# Altium PCB PCB1.PcbDoc (part 3 of 5)
Units mm, origin at the board's own origin, x right, y up, seen from the top; angles counter-clockwise.
Board outline 160 x 50 mm, 6 copper layers (Top Layer, Layer 1, Top Middle Layer, Bottom Middle Layer, Layer 2, Bottom Layer), stack 0.885 mm thick; 337 components, 281 nets, 1269 pads, 489 vias.
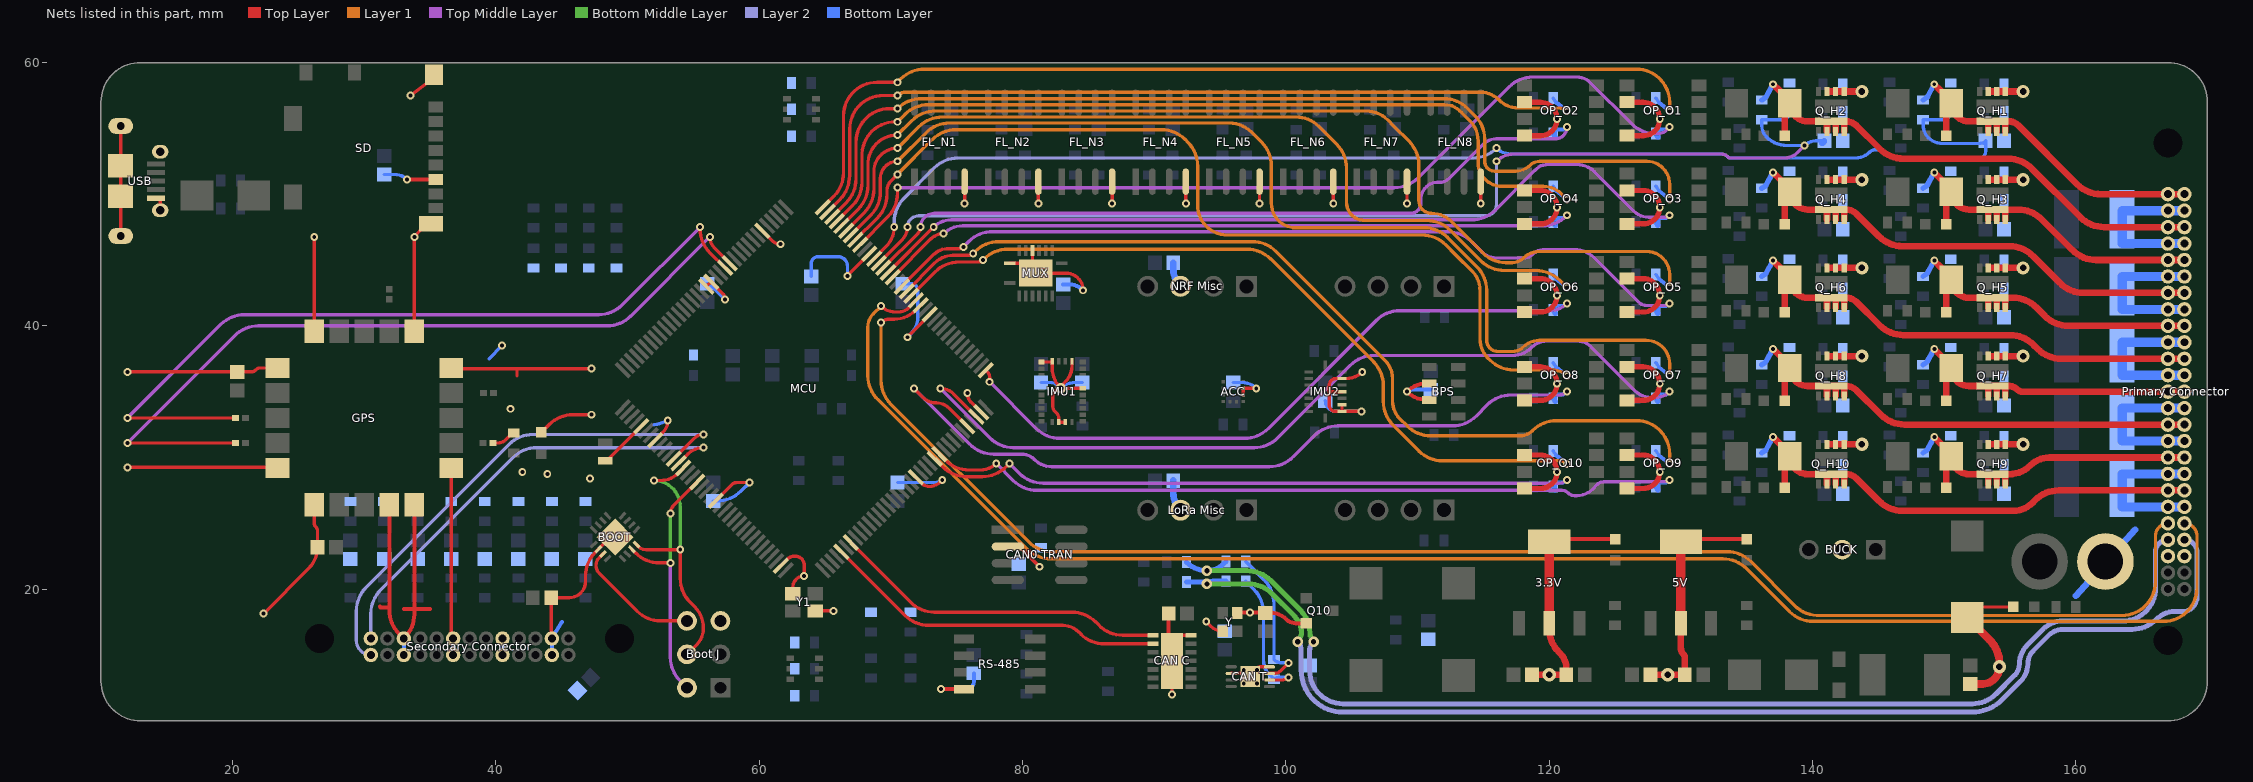
[diagram p7: the nets of this part, all layers, seen from the top]

## Via types
v1: diameter 0.6, hole 0.3, Top Layer to Bottom Layer, 440 vias
v2: diameter 1, hole 0.5, Top Layer to Bottom Layer, 25 vias
v3: diameter 0.8, hole 0.4, Top Layer to Bottom Layer, 12 vias
v4: diameter 6, hole 3.2, Top Layer to Bottom Layer, 5 vias
v5: diameter 0.5, hole 0.3, Top Layer to Bottom Layer, 4 vias
v6: diameter 1.4, hole 0.7, Top Layer to Bottom Layer, 2 vias
v7: diameter 1, hole 0.6, Top Layer to Bottom Layer, 1 vias

## Nets (pads, with @x,y where several pads share a name; then routed paths per layer and width w, separated by ;. In a path a pad name is that pad's centre, name@x,y a point inside that pad or via, vN(x,y) a via of type N, cw(c..) or ccw(c..) an arc to the next point about the centre after c; other vN are vias at no path point) (continued)
"CAN INTN0": "CAN C.9" MCU.77 | length 26.3
  Top Layer w0.254: MCU.77@66.243,22.837 71.086,17.994 ccw(c72.882,19.79) 72.882,17.25 83.043,17.25 cw(c83.043,15.543) 84.25,16.75 84.406,16.594 ccw(c86.202,18.39) 86.202,15.85 89.9,15.85
"CAN INTN1": "CAN C.8" MCU.79 | length 25.5
  Top Layer w0.254: MCU.79@66.95,23.544 71.5,18.994 ccw(c73.296,20.79) 73.296,18.25 83.748,18.25 cw(c83.748,15.71) 85.544,17.506 85.806,17.244 ccw(c87.602,19.04) 87.602,16.5 89.9,16.5
CAN_N: "Primary Connector.47" JP2.2 JP4.2 | length 93.8
  Bottom Middle Layer w0.381: v3(94,20.4) 97.148,20.4 cw(c97.148,17.86) 98.944,19.656 100.662,17.938 cw(c99.407,16.682) 101.182,16.682 cw(c100.492,16.682) 100.98,16.194 ccw(c101.174,16) v3(100.9,16)
  Layer 2 w0.381: v3(100.9,16) cw(c100.26,15.36) 101.165,15.36 101.165,13.832 ccw(c104.34,13.832) 104.34,10.657 107.4,10.657 152.14,10.657 ccw(c152.14,13.832) 154.385,11.587 155.821,13.023 ccw(c154.544,14.3) 156.35,14.3 cw(c157.799,14.3) 156.774,15.324 157.951,16.501 cw(c159.035,15.417) 159.035,16.95 164.298,16.95 ccw(c164.298,19.49) 166.094,17.694 cw(c167.557,16.231) 167.557,18.3 168.1,18.3 ccw(c168.1,19.4) 169.2,19.4 169.2,22.8 ccw(c168.25,22.8) 168.25,23.75
  Bottom Layer w0.381: JP4.2@92.45,20.55 93.638,20.55 cw(c93.638,20.038) v3(94,20.4) cw(c94.483,19.917) 94.483,20.6 JP2.2@95.45,20.6
CAN_P: "Primary Connector.22" JP1.1 JP3.2 | length 90.9
  Bottom Middle Layer w0.381: v3(94,21.4) 97.046,21.4 cw(c97.046,18.86) 98.842,20.656 101.111,18.387 cw(c99.407,16.682) 101.817,16.682 ccw(c102.508,16.682) 102.02,16.194 cw(c101.826,16) v3(102.1,16)
  Layer 2 w0.381: v3(102.1,16) ccw(c102.824,15.276) 101.8,15.276 101.8,13.832 ccw(c104.34,13.832) 104.34,11.292 107.4,11.292 152.14,11.292 ccw(c152.14,13.832) 153.936,12.036 155.372,13.472 ccw(c154.544,14.3) 155.715,14.3 cw(c157.799,14.3) 156.325,15.773 157.502,16.95 cw(c159.035,15.417) 159.035,17.585 163.565,17.585 ccw(c163.565,20.07) 166.05,20.07 166.05,22.8 cw(c167,22.8) 167,23.75
  Bottom Layer w0.381: JP3.2@92.45,22.05 92.464,22.036 ccw(c94,23.573) v3(94,21.4) ccw(c94,23.211) 95.28,21.93 JP1.1@95.45,22.1
CANFH: "CAN T.7" JP1.2 R1.1 | length 11.2
  Top Layer w0.254: 98.75,13.6 99.117,13.6 ccw(c99.117,14.283) 99.6,13.8 v1(100.2,14.4)
  Bottom Layer w0.254: JP1.2@96.95,22.1 98.356,20.694 cw(c96.56,18.898) 99.1,18.898 R1.1@99.1,14.65 ccw(c99.704,15.254) 99.704,14.4 v1(100.2,14.4)
CANFL: "CAN T.6" JP2.1 R1.2 | length 10.8
  Top Layer w0.254: 98.75,13.1 99.717,13.1 ccw(c99.717,13.783) v1(100.2,13.3)
  Bottom Layer w0.254: JP2.1@96.95,20.6 97.556,19.994 cw(c95.76,18.198) 98.3,18.198 98.3,14.6 ccw(c99.869,14.6) 98.76,13.49 R1.2@99.1,13.15 cw(c99.462,12.788) 99.462,13.3 v1(100.2,13.3)
DC: "Boot J.4" BOOT.8 MCU.50 | length 21.3
  Top Layer w0.254: BOOT.8@50.676,23.384 50.821,23.24 ccw(c51.4,23.819) 51.4,23 v1(54,23) 54,20.802 ccw(c56.54,20.802) 54.744,19.006 55.1,18.65 cw(c53.531,17.081) 55.75,17.081 55.75,17 cw(c54.036,17) 55.248,15.788 54.51,15.05 ; v1(52,28.25) 52.5,28.25 ccw(c52.5,30.111) 53.816,28.795 MCU.50@54.222,29.201
  Bottom Middle Layer w0.254: v1(52,28.25) cw(c52,26.25) 54,26.25 v1(54,23)
DD: "Boot J.2" BOOT.7 MCU.53 | length 20.1
  Top Layer w0.254: BOOT.7@50.323,23.031 50.61,22.744 ccw(c52.406,24.54) 52.406,22 v1(53.25,22) ; v1(53.25,25.75) cw(c54.114,25.75) 53.503,26.361 MCU.53@55.282,28.14
  Top Middle Layer w0.254: v1(53.25,22) 53.25,14.822 ccw(c55.79,14.822) 53.994,13.026 54.51,12.51
  Bottom Middle Layer w0.254: v1(53.25,22) v1(53.25,25.75)
DE: "Boot J.6" BOOT.3 | length 9.8
  Top Layer w0.254: BOOT.3@48.131,22.677 47.845,22.391 ccw(c48.436,21.8) 47.6,21.8 ccw(c48.445,21.8) 47.847,21.203 50.716,18.334 ccw(c52.512,20.13) 52.512,17.59 54.51,17.59
DIO1: "Primary Connector.21" MCU.123 | length 118.6
  Top Layer w0.254: v1(69.25,40.25) cw(c69.854,39.646) 69.854,40.5 70.25,40.5 ccw(c70.25,42.739) 71.834,41.156 MCU.123@72.253,41.575
  Layer 1 w0.254: v1(69.25,40.25) 69.25,35.852 ccw(c71.79,35.852) 69.994,34.056 80.456,23.594 ccw(c82.252,25.39) 82.252,22.85 133.498,22.85 cw(c133.498,20.31) 135.294,22.106 138.656,18.744 ccw(c140.452,20.54) 140.304,18.004 ccw(c140.317,18.258) 140.316,18.004 163.51,18.004 ccw(c163.51,20.544) 166.05,20.544 166.05,24.05 cw(c167,24.05) 167,25
DIO2: "Primary Connector.46" MCU.124 | length 124.5
  Top Layer w0.254: v1(69.25,41.5) ccw(c70.336,42.586) 70.336,41.05 70.6,41.05 ccw(c70.6,42.065) 71.318,41.347 MCU.124@71.899,41.929
  Layer 1 w0.254: v1(69.25,41.5) 68.674,40.924 ccw(c69.699,39.9) 68.25,39.9 68.25,36.202 ccw(c70.79,36.202) 68.994,34.406 80.356,23.044 ccw(c82.152,24.84) 82.152,22.3 133.198,22.3 cw(c133.198,19.76) 134.994,21.556 138.256,18.294 ccw(c140.052,20.09) 140.052,17.55 166.66,17.55 ccw(c166.66,20.09) 169.2,20.09 169.2,24.05 ccw(c168.25,24.05) 168.25,25
DIO3: "Secondary Connector.26" MCU.48 | length 39.2
  Top Layer w0.254: MCU.48@53.515,29.908 55.078,31.472 cw(c55.75,30.8) v1(55.75,31.75)
  Layer 2 w0.254: 30.5,15 cw(c30.5,16.1) 29.4,16.1 29.4,18.348 cw(c31.94,18.348) 30.144,20.144 41.006,31.006 cw(c42.802,29.21) 42.802,31.75 v1(55.75,31.75)
DIO4: "Secondary Connector.13" MCU.49 | length 35.1
  Top Layer w0.254: MCU.49@53.868,29.555 54.578,30.265 cw(c55.75,29.093) v1(55.75,30.75)
  Layer 2 w0.254: 30.5,16.25 30.5,18.148 cw(c33.04,18.148) 31.244,19.944 41.306,30.006 cw(c43.102,28.21) 43.102,30.75 v1(55.75,30.75)
EXTAL32: MCU.41 Y2.2 | length 3.8
  Top Layer w0.254: Y2.2@48.3,29.75 ccw(c48.3,30.008) 48.482,29.826 MCU.41@51.04,32.383
GND: 3.3V.2 3.3V.4 5V.2 5V.4 "Boot J.5" "CAN0 TRAN.2" "CAN C.7" "CAN C.15" "CAN T.2" "CAN T.8" "CAN T.9" "JP L_J1.2" "JP L_J2.2" "JP L_J3.2" "JP L_J4.2" "LoRa Misc.3" "NRF Misc.3" "Primary Connector.23" "Primary Connector.48" "Secondary Connector.2" "Secondary Connector.5" "Secondary Connector.8" "Secondary Connector.11" "Secondary Connector.15" "Secondary Connector.18" "Secondary Connector.21" "Secondary Connector.24" ACC.8 ACC.9 BOOT.2 BOOT.17 BPS.2 BPS.3 BUCK.2 C1.1 C2.1 C3.1 C4.1 C5.1 C101.2 C102.1 C103.1 C104.1 C105.1 C106.1 C201.1 C202.1 C203.1 C204.1 C205.1 C209.1 C210.1 C301.1 C302.1 C401.1 C402.1 C403.1 C404.1 C405.1 C406.1 C407.1 C509.2 C601.1 C602.1 C603.1 C604.1 C_F1.1 C_F2.1 C_F3.1 C_F4.1 C_F5.1 C_F6.1 C_F7.1 C_F8.1 C_H1.1 C_H2.1 C_H3.1 C_H4.1 C_H5.1 C_H6.1 C_H7.1 C_H8.1 C_H9.1 C_H10.1 DS1.1 DS2.1 DS3.1 DS4.1 FB3.1 FL_N1.4 FL_N2.4 FL_N3.4 FL_N4.4 FL_N5.4 FL_N6.4 FL_N7.4 FL_N8.4 GPS.1 GPS.4 GPS.5 GPS.6 GPS.10 GPS.11 GPS.15 GPS.16 GPS.20 IMU1.2 IMU1.5 IMU1.6 IMU1.17 IMU1.18 IMU1.25 IMU2.2 IMU2.4 IMU2.6 IMU2.7 J1.2 MCU.6 MCU.17 MCU.18 MCU.44 MCU.57 MCU.71 MCU.93 MCU.107 MCU.121 MCU.134 MUX.5 MUX.8 MUX.17 OP_O1.2 OP_O1.4 OP_O2.2 OP_O2.4 OP_O3.2 OP_O3.4 OP_O4.2 OP_O4.4 OP_O5.2 OP_O5.4 OP_O6.2 OP_O6.4 OP_O7.2 OP_O7.4 OP_O8.2 OP_O8.4 OP_O9.2 OP_O9.4 OP_O10.2 OP_O10.4 Q10.2 Q_H1.5 Q_H1.6 Q_H1.7 Q_H2.5 Q_H2.6 Q_H2.7 Q_H3.5 Q_H3.6 Q_H3.7 Q_H4.5 Q_H4.6 Q_H4.7 Q_H5.5 Q_H5.6 Q_H5.7 Q_H6.5 Q_H6.6 Q_H6.7 Q_H7.5 Q_H7.6 Q_H7.7 Q_H8.5 Q_H8.6 Q_H8.7 Q_H9.5 Q_H9.6 Q_H9.7 Q_H10.5 Q_H10.6 Q_H10.7 R1_L1.1 R1_L2.1 R2_F1.2 R2_F2.2 R2_F3.2 R2_F4.2 R2_F5.2 R2_F6.2 R2_F7.2 R2_F8.2 R2_L1.2 R2_L2.2 R3_L1.2 R3_L2.2 R5_H1.1 R5_H2.1 R5_H3.1 R5_H4.1 R5_H5.1 R5_H6.1 R5_H7.1 R5_H8.1 R5_H9.1 R5_H10.1 R6_H1.1 R6_H2.1 R6_H3.1 R6_H4.1 R6_H5.1 R6_H6.1 R6_H7.1 R6_H8.1 R6_H9.1 R6_H10.1 R9_H1.1 R9_H2.1 R9_H3.1 R9_H4.1 R9_H5.1 R9_H6.1 R9_H7.1 R9_H8.1 R9_H9.1 R9_H10.1 R105.2 R107.2 R307.2 RS-485.4 SD.6 SD.11 SD.12 USB.5 USB.6 USB.7 USB.8 USB.9 USB.10 USB.11 Y1.2 Y1.4 Y.2 Y.4 | length 413.9
  Top Layer w0.254: v1(12,29.25) 23.35,29.25 GPS.20@23.4,29.2 ; v1(12,36.5) C401.1@20.35,36.5 21.388,36.5 ccw(c21.388,37.012) 21.75,36.65 cw(c22.112,36.288) 22.112,36.8 GPS.16@23.4,36.8 ; USB.5@14.175,49.7 14.5,49.627 USB.7@14.5,48.775 ; v1(22.35,18.15) 25.778,21.578 ccw(c24.156,23.2) C402.1@26.45,23.2 26.45,24.388 ccw(c25.938,24.388) 26.3,24.75 cw(c26.541,24.991) 26.2,24.991 GPS.1@26.2,26.4 ; GPS.15@26.2,39.6 v1(26.2,46.75) ; v1(33.5,57.5) 34.739,58.424 SD.11@35.287,59.072 ; GPS.11@33.8,39.6 v1(33.8,46.75) 34.289,47.294 SD.12@35.062,47.752 ; GPS.6@36.6,29.2 36.6,16.612 ccw(c37.112,16.612) 36.75,16.25 ; GPS.10@37.373,36.75 41.6,36.75 ; 41.6,36.2 41.6,36.75 ; DS4.1@43.45,31.9 44.056,32.506 cw(c45.852,30.71) 45.852,33.25 v1(47.25,33.25) ; 44.25,16.25 cw(c44.371,16.371) 44.2,16.371 C209.1@44.2,19.35 45.575,19.35 ccw(c45.575,20.575) 46.8,20.575 46.8,21.001 cw(c49.34,21.001) 47.544,22.798 BOOT.2@47.777,23.031 48.446,23.7 cw(c49.05,23.096) BOOT.17@49.05,23.95 ; v1(47.25,36.75) 41.6,36.75 ; MCU.44@52.1,31.322 52.677,31.898 ccw(c51.775,32.8) v1(53.05,32.8) ; MCU.18@55.99,42.99 MCU.17@56.343,43.343 57.198,42.489 ; MCU.57@56.697,26.726 57.908,27.938 cw(c58.3,27.546) 58.3,28.1 v1(59.259,28.1) ; 57.198,42.489 cw(c56.709,42) v1(57.4,42) ; MCU.6@60.232,47.232 61.027,46.437 ccw(c61.6,47.01) v1(61.6,46.2) ; MCU.71@61.646,21.776 62.172,22.302 cw(c62.65,21.824) 62.65,22.5 62.74,22.5 cw(c62.74,21.826) 63.414,21.826 63.414,21 v1(63.4,21) ccw(c63.4,20.15) 62.55,20.15 Y1.4@62.55,19.65 ; Y1.2@64.25,18.35 v1(65.65,18.35) ; v1(66.699,43.8) MCU.134@68.364,45.464 ; v1(71.245,39.133) 71.245,39.143 72.96,40.858 MCU.121@72.96,40.868 ; MCU.93@71.899,28.494 72.377,28.017 ccw(c72.9,28.54) 72.9,27.8 ccw(c72.9,29.007) 73.754,28.154 v1(73.9,28.3) ; v1(75.6,49.3) FL_N1.4@75.6,50.95 ; v1(75.8,34.9) ccw(c76.783,34.9) 76.088,34.205 MCU.107@76.849,33.444 ; 78.886,23.235 79.765,23.235 ; MUX.8@79.025,44.75 MUX.17@80.75,44.75 ; MUX.5@80.75,45.725 MUX.17@80.75,44.75 ; v1(81.2,49.3) FL_N2.4@81.2,50.95 ; IMU1.6@81.438,37.25 82.099,37.25 ccw(c82.099,37.463) IMU1.5@82.25,37.313 82.25,36.829 ccw(c84.483,36.829) v3(82.904,35.25) ; v3(82.904,35.25) IMU1.25@84.563,35.25 ; IMU1.18@83.25,32.688 IMU1.17@82.75,32.688 82.75,32.988 ccw(c82.238,32.988) 82.6,33.35 82.441,33.509 cw(c82.783,33.85) 82.3,33.85 82.3,34.646 cw(c82.904,34.646) v3(82.904,35.25) ; IMU1.2@83.75,37.313 83.75,36.957 cw(c82.043,36.957) 83.25,35.75 ccw(c84.457,34.543) v3(82.904,35.25) ; v1(84.6,42.7) ccw(c83.3,42.7) 83.3,44 MUX.17@81,44 81,44.75 MUX.17@80.75,44.75 ; v1(86.8,49.3) FL_N3.4@86.8,50.95 ; 91.1,14.8 ccw(c91.35,14.8) 91.35,14.55 ; v1(91.35,11.991) 91.35,16.5 92.8,16.5 ; v1(92.4,49.3) FL_N4.4@92.4,50.95 ; v1(93.95,17.55) 94.346,17.154 ccw(c95.2,18.007) Y.4@95.2,16.8 Y.4@95.473,17.123 ; 95.85,13.6 97.05,13.6 cw(c97.05,13.35) 97.3,13.35 ; Y.2@96.027,17.877 Y.2@96.3,18.2 Y.2@96.325,18.225 ; ACC.8@96.762,34.75 ACC.9@96.762,35.25 v1(97.75,35.25) ; v5(97.8,13.85) cw(c98.05,13.85) 98.05,14.1 98.75,14.1 ; v1(98,49.3) FL_N5.4@98,50.95 ; C1.1@98.425,18.225 C1.1@98.45,18.2 C1.1@98.843,18.2 ; v1(103.6,49.3) FL_N6.4@103.6,50.95 ; IMU2.6@104.263,34 IMU2.7@104.263,33.5 ; IMU2.4@104.263,35 103.3,35 ; v1(105.75,33.5) IMU2.7@104.263,33.5 ; v1(105.8,36.5) cw(c104.593,37.707) 104.593,36 IMU2.2@104.263,36 103.8,36 ccw(c103.8,35.5) 103.3,35.5 103.3,35 ; v1(109.2,49.3) FL_N7.4@109.2,50.95 ; v1(114.8,49.3) FL_N8.4@114.8,50.95 ; C101.2@151.75,17.85 151.75,18.65 DS1.1@155.25,18.65 ; 103.3,35 103.3,33.95 ccw(c103.75,33.95) 103.75,33.5 IMU2.7@104.263,33.5
  Top Layer w0.3: USB.11@11.5,46.825 USB.9@11.5,52.15 USB.8@11.5,55.175 ; 31.2,18.7 ccw(c31.3,18.7) 31.3,18.6 31.9,18.6 ; GPS.4@31.9,26.4 31.9,18.6 ; 33,18.5 33.8,18.5 ; v1(33.25,51.112) SD.6@35.413,51.112 ; GPS.5@33.8,26.4 33.8,18.5 ; 35,18.5 33.8,18.5 ; v1(73.8,12.405) RS-485.4@75.538,12.405 ; 79.765,23.235 v1(81.3,21.7) ; 91.1,14.8 C2.1@91.1,18.15 ; Y.2@96.325,18.225 v1(97.275,18.225) C1.1@98.425,18.225 ; C1.1@98.843,18.2 cw(c98.843,16.493) 100.05,17.7 ccw(c100.774,18.424) 100.774,17.4 Q10.2@101.55,17.4 ; BPS.3@110.9,34.375 110.709,34.375 cw(c110.709,36.509) v1(109.2,35) cw(c110.709,33.491) 110.709,35.625 BPS.2@110.9,35.625 ; 3.3V.4@120.483,23.8 DS2.1@125,23.8 ; 5V.4@130.483,23.8 DS3.1@135,23.8 ; 31.9,18.6 31.9,18.402 ccw(c34.44,18.402) 32.644,16.606 33,16.25 33.056,16.306 ccw(c31.26,18.102) 33.8,18.102 33.8,18.5
  Top Layer w0.4: OP_O10.4@118.12,27.645 119.345,27.645 ccw(c119.345,28.9) v1(120.6,28.9) ccw(c119.315,28.9) 119.315,30.185 OP_O10.2@118.12,30.185 ; OP_O8.4@118.12,34.345 119.345,34.345 ccw(c119.345,35.6) v1(120.6,35.6) ccw(c119.315,35.6) 119.315,36.885 OP_O8.2@118.12,36.885 ; OP_O6.4@118.12,41.045 119.345,41.045 ccw(c119.345,42.3) v1(120.6,42.3) ccw(c119.315,42.3) 119.315,43.585 OP_O6.2@118.12,43.585 ; OP_O4.4@118.12,47.745 119.345,47.745 ccw(c119.345,49) v1(120.6,49) ccw(c119.315,49) 119.315,50.285 OP_O4.2@118.12,50.285 ; OP_O2.4@118.12,54.445 119.345,54.445 ccw(c119.345,55.7) v1(120.6,55.7) ccw(c119.315,55.7) 119.315,56.985 OP_O2.2@118.12,56.985 ; OP_O9.4@125.92,27.645 127.145,27.645 ccw(c127.145,28.9) v1(128.4,28.9) ccw(c127.115,28.9) 127.115,30.185 OP_O9.2@125.92,30.185 ; OP_O7.4@125.92,34.345 127.145,34.345 ccw(c127.145,35.6) v1(128.4,35.6) ccw(c127.115,35.6) 127.115,36.885 OP_O7.2@125.92,36.885 ; OP_O5.4@125.92,41.045 127.145,41.045 ccw(c127.145,42.3) v1(128.4,42.3) ccw(c127.115,42.3) 127.115,43.585 OP_O5.2@125.92,43.585 ; OP_O3.4@125.92,47.745 127.145,47.745 ccw(c127.145,49) v1(128.4,49) ccw(c127.115,49) 127.115,50.285 OP_O3.2@125.92,50.285 ; OP_O1.4@125.92,54.445 127.145,54.445 ccw(c127.145,55.7) v1(128.4,55.7) ccw(c127.115,55.7) 127.115,56.985 OP_O1.2@125.92,56.985
  Top Layer w0.5: C105.1@118.7,13.5 C104.1@121.3,13.5 121.3,14.014 ccw(c119.764,14.014) 120.85,15.1 120.744,15.206 cw(c122.54,17.002) 120,17.002 3.3V.2@120,17.4 ; 3.3V.4@120,23.6 cw(c120.483,23.117) 3.3V.4@120.483,23.8 ; C103.1@127.7,13.5 C106.1@130.3,13.5 130.3,14.809 ccw(c129.959,14.809) 130.2,15.05 cw(c130.683,15.533) 130,15.533 5V.2@130,17.4 ; 5V.4@130,23.6 cw(c130.483,23.117) 5V.4@130.483,23.8 ; Q_H10.7@141.2,31 Q_H10.6@141.75,31 Q_H10.5@142.4,31 v2(143.75,31) ; Q_H8.7@141.2,37.7 Q_H8.6@141.75,37.7 Q_H8.5@142.4,37.7 v2(143.75,37.7) ; Q_H6.7@141.2,44.4 Q_H6.6@141.75,44.4 Q_H6.5@142.4,44.4 v2(143.75,44.4) ; Q_H4.7@141.2,51.1 Q_H4.6@141.75,51.1 Q_H4.5@142.4,51.1 v2(143.75,51.1) ; Q_H2.7@141.2,57.8 Q_H2.6@141.75,57.8 Q_H2.5@142.4,57.8 v2(143.75,57.8) ; Q_H9.7@153.45,31 Q_H9.6@154,31 Q_H9.5@154.65,31 v2(156,31) ; Q_H7.7@153.45,37.7 Q_H7.6@154,37.7 Q_H7.5@154.65,37.7 v2(156,37.7) ; Q_H5.7@153.45,44.4 Q_H5.6@154,44.4 Q_H5.5@154.65,44.4 v2(156,44.4) ; Q_H3.7@153.45,51.1 Q_H3.6@154,51.1 Q_H3.5@154.65,51.1 v2(156,51.1) ; Q_H1.7@153.45,57.8 Q_H1.6@154,57.8 Q_H1.5@154.65,57.8 v2(156,57.8)
  Top Layer w0.6: C101.2@151.75,17.85 153.456,16.144 cw(c151.66,14.348) 154.2,14.348 v2(154.2,14.1) cw(c152.9,14.1) 152.9,12.8 C102.1@152,12.8
  Top Layer w0.7: 3.3V.2@120,17.4 3.3V.4@120,23.6 ; 5V.2@130,17.4 5V.4@130,23.6
  Bottom Layer w0.254: C210.1@31.5,51.5 32.314,51.5 cw(c32.314,50.177) v1(33.25,51.112) ; 39.5,37.5 v1(40.45,38.5) ; 52,32.5 52.262,32.526 ccw(c52.2,33.15) 52.421,32.563 v1(53.05,32.8) ; C202.1@56.05,43.2 cw(c56.05,42.838) 56.306,43.094 v1(57.4,42) ; C203.1@56.5,26.7 56.806,26.7 ccw(c56.806,29.24) 58.603,27.444 v1(59.259,28.1) ; C201.1@63.95,43.75 63.95,44.75 cw(c64.45,44.75) 64.45,45.25 66,45.25 cw(c66,44.551) 66.699,44.551 v1(66.699,43.8) ; C204.1@70.5,28.1 73.417,28.1 ccw(c73.417,28.783) v1(73.9,28.3) ; C205.1@70.9,43.2 71.55,43.2 cw(c71.55,42.7) 72.05,42.7 72.042,42.692 72.042,40.657 cw(c70.286,40.657) 71.528,39.416 v1(71.245,39.133) ; C406.1@81.4,35.7 82.1,35.7 cw(c82.1,34.845) 82.704,35.45 v3(82.904,35.25) cw(c83.99,34.164) 83.99,35.7 C405.1@84.55,35.7 ; C404.1@96,35.7 96.664,35.7 cw(c96.664,34.164) v1(97.75,35.25) ; C407.1@103,34.3 ccw(c103.8,34.3) 103.8,33.5 v1(105.75,33.5) ; v1(109.2,35) v1@109.294,35
  Bottom Layer w0.3: 33,15 33,16.25 ; 36.75,15 36.75,16.25 ; 40.5,15 40.5,16.25 ; 44.25,15 44.25,16.25 45,17.5 ; v1(73.8,12.405) 75.705,12.405 ccw(c75.705,13) 76.3,13 C301.1@76.3,13.61 ; C509.2@83.075,43.138 83.544,43.138 cw(c83.544,41.644) v1(84.6,42.7) ; v1(109.2,35) cw(c109.562,34.638) 109.562,35.15 C403.1@111,35.15
  Bottom Layer w0.5: C602.1@91.45,28.25 91.45,27.328 ccw(c93.328,27.328) 92,26 ; C603.1@91.45,44.8 91.45,44.328 ccw(c93.328,44.328) 92,43 ; 160,19.5 162.3,22.055 164.5,24.5
  other v1: 47.15,28.4 43.9,28.75 42,28.9 41.1,33.7
  other v2: 120,13.5 129,13.5
  other v5: 96.8,12.85 97.8,12.85 96.8,13.85
"GPS INT": FB8.2 MCU.13 | length 61.3
  Top Layer w0.254: v1(12,31.1) FB8.2@20.221,31.1 ; v1(56.25,46.75) ccw(c57.422,46.75) 56.593,45.922 MCU.13@57.757,44.757
  Top Middle Layer w0.254: v1(12,31.1) 20.156,39.256 cw(c21.952,37.46) 21.952,40 48.448,40 ccw(c48.448,42.54) 50.244,40.744 v1(56.25,46.75)
"GPS RST": FB5.1 MCU.14 | length 61.3
  Top Layer w0.254: v1(12,33) FB5.1@20.221,33 ; v1(55.5,47.5) 55.5,47.36 ccw(c58.04,47.36) 56.244,45.564 MCU.14@57.404,44.404
  Top Middle Layer w0.254: v1(12,33) 19.106,40.106 cw(c20.902,38.31) 20.902,40.85 47.798,40.85 ccw(c47.798,43.39) 49.594,41.594 v1(55.5,47.5)
"GPS TP": FB9.2 R401.1 | length 1.8
  Top Layer w0.254: FB9.2@39.779,31.1 40.146,31.1 ccw(c40.146,31.954) 40.75,31.35 41.179,31.779 cw(c41.35,31.609) R401.1@41.35,31.85
"HPO BAT+1": "Primary Connector.2" "Primary Connector.4" "Primary Connector.27" "Primary Connector.29" F_PTC1.2 | length 12
  Bottom Layer w0.7: 168.25,46.25 167,46.25 163.525,46.25 F_PTC1.2@163.525,48.1 163.525,48.75 167,48.75 168.25,48.75
"HPO BAT+2": "Primary Connector.6" "Primary Connector.8" "Primary Connector.31" "Primary Connector.33" F_PTC2.2 | length 11.9
  Bottom Layer w0.7: 168.25,41.25 167,41.25 163.525,41.25 F_PTC2.2@163.525,43 163.525,43.75 167,43.75 168.25,43.75
"HPO BAT+3": "Primary Connector.10" "Primary Connector.12" "Primary Connector.35" "Primary Connector.37" F_PTC3.2 | length 11.9
  Bottom Layer w0.7: 168.25,36.25 167,36.25 163.525,36.25 F_PTC3.2@163.525,37.9 163.525,38.75 167,38.75 168.25,38.75
"HPO BAT+4": "Primary Connector.14" "Primary Connector.16" "Primary Connector.39" "Primary Connector.41" F_PTC4.2 | length 11.9
  Bottom Layer w0.7: 168.25,31.25 167,31.25 163.525,31.25 F_PTC4.2@163.525,32.8 163.525,33.75 167,33.75 168.25,33.75
"HPO BAT+5": "Primary Connector.18" "Primary Connector.20" "Primary Connector.43" "Primary Connector.45" F_PTC5.2 | length 11.9
  Bottom Layer w0.7: 168.25,26.25 167,26.25 163.525,26.25 F_PTC5.2@163.525,27.7 163.525,28.75 167,28.75 168.25,28.75
"HPO D1": "Primary Connector.1" "Primary Connector.26" D1_H1.2 DS7_H1.1 Q_H1.2 Q_H1.3 Q_H1.4 Q_H1.10 R8_H1.2 | length 29.2
  Top Layer w0.5: v1(149.248,58.352) 149.251,58.349 149.77,57.83 149.785,57.83 150.525,57.09 D1_H1.2@150.525,56.9 ; DS7_H1.1@150.15,54.5 150.15,56.525 cw(c150.525,56.525) D1_H1.2@150.525,56.9 ; Q_H1.2@153.35,54.777 153.35,55.403 Q_H1.10@153.479,55.532 ; Q_H1.3@154,54.777 154,55.403 Q_H1.10@153.871,55.532 ; Q_H1.4@154.65,54.777 154.65,55.403 154.521,55.532 ccw(c154.466,52.992) Q_H1.10@154.466,55.532 ; 168.25,50 167,50 161.902,50 cw(c161.902,52.54) 160.106,50.744 155.6,55.25 ccw(c154.918,54.568) 154.918,55.532 Q_H1.10@154.466,55.532 ; D1_H1.2@150.525,56.9 ccw(c151.893,56.9) 151.893,55.532 Q_H1.10@153.479,55.532 ; Q_H1.10@153.479,55.532 Q_H1.10@153.675,55.532 Q_H1.10@153.871,55.532 ; Q_H1.10@153.871,55.532 Q_H1.10@154.466,55.532
  Bottom Layer w0.4: R8_H1.2@148.4,57.15 148.7,57.35 148.71,57.367 148.747,57.435 ccw(c148.397,57.629) 148.748,57.437 v1(149.248,58.352)
"HPO D2": "Primary Connector.3" "Primary Connector.28" D1_H2.2 DS7_H2.1 Q_H2.2 Q_H2.3 Q_H2.4 Q_H2.10 R8_H2.2 | length 42.3